# Altium PCB NanoV3.3.PcbDoc
Units mm, origin at the board's own origin, x right, y up, seen from the top; angles counter-clockwise.
Board outline 43.18 x 17.78 mm, 2 copper layers (Top, Bottom); 33 components, 43 nets, 173 pads, 43 vias.
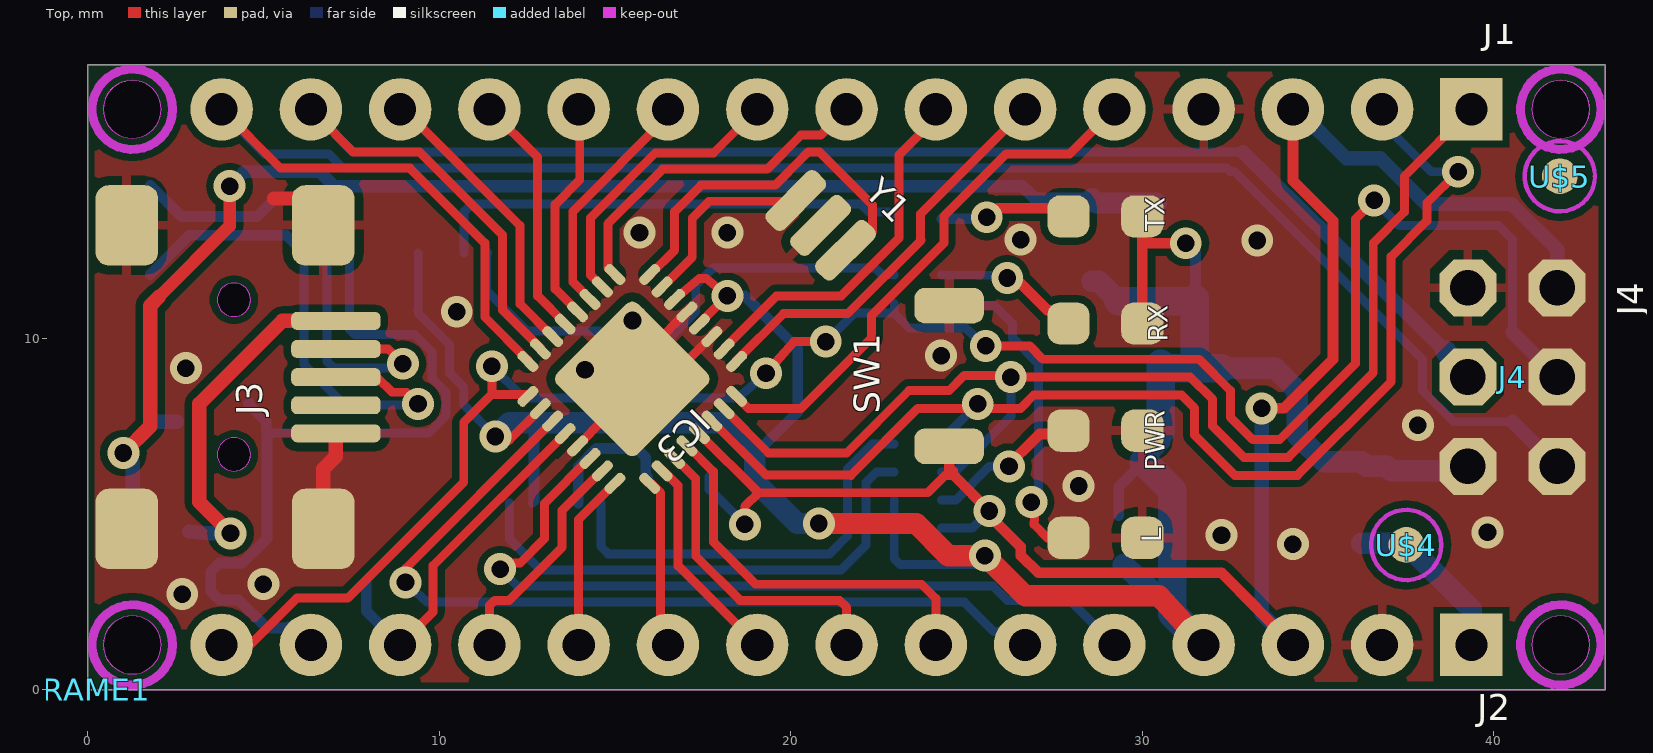
[diagram p0: Top view]
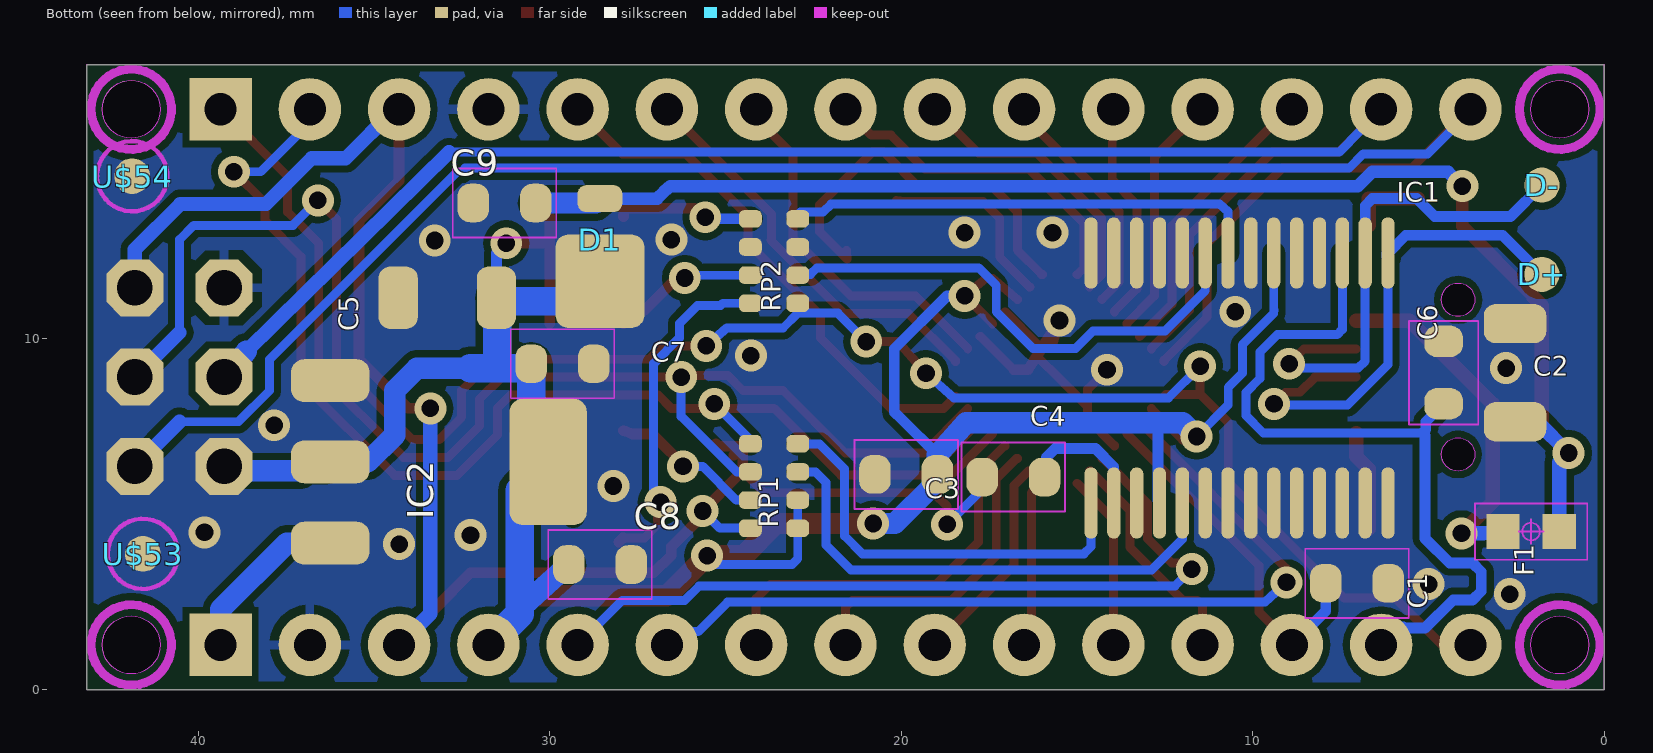
[diagram p1: Bottom view, seen from below]

## Layer stack, top to bottom
Top Solder: solder mask 0.0102, Solder Resist, Dk 3.5
Top: signal copper 0.035
Dielectric 1: dielectric 0.32, FR-4, Dk 4.8
Bottom: signal copper 0.035
Bottom Solder: solder mask 0.0102, Solder Resist, Dk 3.5

## Board outline
43.18,17.78 0,17.78 0,0 43.18,0
cut-out: 41.91,0.445 ccw(c41.91,1.27) 42.735,1.27 ccw(c41.91,1.27) 41.91,2.095 ccw(c41.91,1.27) 41.084,1.27 ccw(c41.91,1.27)
cut-out: 41.91,15.684 ccw(c41.91,16.51) 42.735,16.51 ccw(c41.91,16.51) 41.91,17.335 ccw(c41.91,16.51) 41.084,16.51 ccw(c41.91,16.51)
cut-out: 1.27,15.684 ccw(c1.27,16.51) 2.095,16.51 ccw(c1.27,16.51) 1.27,17.335 ccw(c1.27,16.51) 0.445,16.51 ccw(c1.27,16.51)
cut-out: 1.27,0.445 ccw(c1.27,1.27) 2.095,1.27 ccw(c1.27,1.27) 1.27,2.095 ccw(c1.27,1.27) 0.445,1.27 ccw(c1.27,1.27)
cut-out: 4.161,10.615 ccw(c4.161,11.09) 4.636,11.09 ccw(c4.161,11.09) 4.161,11.565 ccw(c4.161,11.09) 3.686,11.09 ccw(c4.161,11.09)
cut-out: 4.161,6.215 ccw(c4.161,6.69) 4.636,6.69 ccw(c4.161,6.69) 4.161,7.165 ccw(c4.161,6.69) 3.686,6.69 ccw(c4.161,6.69)

## Design rules (kind name [scope] priority, off if disabled: settings)
BoardOutlineClearance mdCopperDimension [All] p1: gap=0.254 ignorepadtopadclearanceinfootprint=FALSE except(0: Arc-SplitContinuation Track-SplitContinuation SMDPad-SplitContinuation THPad-SplitContinuation Via-SplitContinuation Fill-SplitContinuation Poly-SplitContinuation Region-SplitContinuation Text-SplitContinuation; 0.203: Poly-OutlineEdge Poly-CavityEdge Poly-CutoutEdge Poly-SplitBarrior)
Clearance Clearance_for_PolygonClass_Isolate_8 [InPolygonClass('Isolate_8') vs IsArc Or IsTrack Or IsPad Or IsVia Or IsFill Or IsRegion Or IsText] p1: gap=0.203 ignorepadtopadclearanceinfootprint=FALSE
Clearance "Clearance (Same Net)" [All] p2: gap=0.203 ignorepadtopadclearanceinfootprint=FALSE
Clearance [All] p3: gap=0.203 ignorepadtopadclearanceinfootprint=FALSE
HoleSize [All] p1: absolutevalues=TRUE maxlimit=2540 minlimit=0.406 maxpercent=80.000 minpercent=20.000
HoleToHoleClearance mdDrill [All] p1: gap=0.203 allowstackedmicrovias=TRUE
MinimumSolderMaskSliver [All] p1 off: minsoldermaskwidth=0.254
PasteMaskExpansion Expansion_SMDPaste_OFF [InPadClass('SMDPaste_OFF')] p1: expansion=0
PasteMaskExpansion mlMinCreamFrame [All] p2: expansion=-0.076
PolygonConnect PolygonConnect_For_PolygonThermal_ON_Width100000_Gap100000 [InPolygonClass('PolygonThermal_ON_Width100000_Gap100000') vs Not IsVia] p1: connectstyle=Relief reliefconductorwidth=0.254 reliefentries=4 polygonreliefangle="90 Angle" airgapwidth=0.254
PolygonConnect ThermalVias [IsVia] p2: connectstyle=Direct reliefconductorwidth=0.254 reliefentries=4 polygonreliefangle="90 Angle" airgapwidth=0.254
PolygonConnect [All] p3: connectstyle=Relief reliefconductorwidth=0.254 reliefentries=4 polygonreliefangle="90 Angle" airgapwidth=0.254
RoutingVias [All] p1: holewidth=0.406 width=0.813 viastyle="Through Hole" minholewidth=0.406 minwidth=0.813 maxholewidth=2.54 maxwidth=2.54
SolderMaskExpansion Expansion_SMDSolder_OFF [InPadClass('SMDSolder_OFF')] p1: expansion=0 istentingtop=FALSE
SolderMaskExpansion mlMinStopFrame [All] p2: expansion=0 istentingtop=FALSE
Width [All] p1: maxlimit=0.254 minlimit=0.254 preferedwidth=0.254
26 further rules are at their usual default settings.

## Classes and differential pairs
polygon class PolygonThermal_ON_Width100000_Gap100000: Polygon_1_Net_COM Polygon_2_Net_COM
polygon class Isolate_8: Polygon_1_Net_COM Polygon_2_Net_COM
pad class SMDSolder_OFF: IC3-33
pad class SMDPaste_OFF: D+-X D--X IC3-33 U$4-P$1 U$5-P$1 U$53-P$1 U$54-P$1

## Components (designator, comment, footprint, x,y, rotation, side; value= is the part's Value field where it differs from the comment)
C1 "100nF" C0603-ROUND 7.035,3.023 r180 bottom
C2 "4,7uF_16V" TAN-A 2.54,7.62 r90 bottom
C3 "1uF" C0603-ROUND 19.863,6.121 r0 bottom
C4 "100nF" C0603-ROUND 16.815,6.045 r180 bottom
C5 "4,7uF_16V" TAN-A 31.521,11.151 r0 bottom
C6 "100nF" C0603-ROUND 4.572,9.017 r270 bottom
C7 "1uF" C0603-ROUND 29.642,9.271 r180 bottom
C8 "1uF" C0603-ROUND 28.575,3.556 r180 bottom
C9 "100nF" C0603-ROUND 31.293,13.843 r0 bottom
D1 "SS1P3L" DO220AAL 28.575,12.319 r90 bottom
D+ "" TP-1.00MM 1.778,11.811 r0 top
D- "" TP-1.00MM 1.778,14.351 r0 top
F1 "MFFSMF050" 0603-1608X90N 2.083,4.496 r0 bottom
FRAME1 "" FRAME 0,0 r0 top
IC1 "FT232RL" SSOP28 14.605,5.309 r180 bottom
IC2 "LM1117IMPX-5.0" LINEAR_SOT223 33.147,6.477 r270 bottom
IC3 "328P-MUR" VQFN32 15.494,8.839 r225 top
J1 "XXXX_STRIPNANO" HEAD15-NOSS 39.37,16.51 r180 top
J2 "XXXX_STRIPNANO" HEAD15-NOSS 39.37,1.27 r180 top
J3 "" USB-MINI-B_2 7.061,7.29 r90 top
J4 "" 2X03 40.538,8.89 r90 top
L "Yellow" CHIPLED_0805 28.956,4.318 r270 top
PWR "Green" CHIPLED_0805 28.956,7.366 r270 top
RP1 "1K" CAY16 23.622,5.791 r270 bottom
RP2 "1K" CAY16 23.622,12.192 r90 bottom
RX "Red" CHIPLED_0805 28.956,10.414 r90 top
SW1 "RESET" SMD_157SW 24.511,10.922 r270 top
TX "Green" CHIPLED_0805 28.956,13.462 r90 top
U$4 "" FD-1-1.5 37.516,4.115 r270 top
U$5 "" FD-1-1.5 41.885,14.605 r0 top
U$53 "" FD-1-1.5 41.58,3.861 r90 bottom
U$54 "" FD-1-1.5 41.885,14.605 r90 bottom
Y1 "16MHz" RESONATOR 20.853,13.206 r315 top

## Footprints (in the part's own frame and the unit in brackets; to place one, negate y for a bottom-side part, rotate by r counter-clockwise, add the part's x,y. Pads: shape width x height; smd on the part's side, far side on the other; paste and mask are expansions set on the pad)
2X03 [mil] "2X03"
  oct 64x64 / inner round 56.38 / far side oct 64x64 hole 40: 1(-100,-50) 2(-100,50) 3(0,-50) 4(0,50) 5(100,-50) 6(100,50)
0603-1608X90N [mm] "0603-1608X90N"
  rrect3% 0.95x1 smd: 1(-0.8,0) 2(0.8,0)
  Top keep-out circle w0.05: c0,0 r0.25
  Top keep-out lines w0.05: -0.35,0 0.35,0 ; 0,0.35 0,-0.35 ; -1.6,0.8 1.6,0.8 1.6,-0.8 -1.6,-0.8 -1.6,0.8
C0603-ROUND [mil] "C0603-ROUND"
  rrect80% 35.37x43.31 smd: 1(-35,0) 2(35,0)
  Top keep-out lines w2: 57.99,-38.7 -57.99,-38.7 -57.99,38.7 57.99,38.7 57.99,-38.7
CAY16 [mm] "CAY16"
  rrect60% 0.5x0.65 smd: 1(-1.2,-0.675) 2(-0.4,-0.675) 3(0.4,-0.675) 4(1.2,-0.675) 5(1.2,0.675) 6(0.4,0.675) 7(-0.4,0.675) 8(-1.2,0.675)
CHIPLED_0805 [mm] "CHIPLED_0805"
  rrect60% 1.2x1.2 smd: A(0,-1.05) C(0,1.05)
DO220AAL [mil] "DO220AAL"
  rrect30% 105x100 smd: P$1(-27.56,0)
  rrect60% 30x50 smd: P$2(64.96,0)
FD-1-1.5 [mil] "FD-1-1.5"
  rrect100% 40x40 smd paste-20: P$1(0,0)
  Top keep-out circle w5: c0,0 r39.37
FRAME [mm] "FRAME"
HEAD15-NOSS [mil] "HEAD15-NOSS"
  rect 70x70 / inner round 64.67 / far side rect 70x70 hole 36: 1(0,0)
  round 70 hole 36: 2(100,0) 3(200,0) 4(300,0) 5(400,0) 6(500,0) 7(600,0) 8(700,0) 9(800,0) 10(900,0) 11(1000,0) 12(1100,0) 13(1200,0) 14(1300,0) 15(1400,0)
LINEAR_SOT223 [mil] "LINEAR_SOT223"
  rrect60% 48x88 smd: 1(-91,-122) 2(0,-122) 3(91,-122)
  rrect34% 141.73x86.61 smd: 4(0,122.01)
RESONATOR [mm] "RESONATOR"
  rrect60% 0.7x2 smd: 1(-1,0) 2(0,0) 3(1,0)
SMD_157SW [mil] "SMD_157SW"
  rrect60% 40x78 smd: 1(0,0) 2(157.5,0)
SSOP28 [mil] "SSOP28"
  rrect100% 15x80 smd: 1(0,0) 2(25.6,0) 3(51.18,0) 4(76.77,0) 5(102.37,0) 6(127.95,0) 7(153.53,0) 8(179.13,0) 9(204.72,0) 10(230.32,0) 11(255.92,0) 12(281.5,0) 13(307.08,0) 14(332.68,0) 15(332.68,280) 16(307.08,280) 17(281.5,280) 18(255.92,280) 19(230.32,280) 20(204.72,280) 21(179.13,280) 22(153.53,280) 23(127.95,280) 24(102.37,280) 25(76.77,280) 26(51.18,280) 27(25.58,280) 28(0,280)
TAN-A [mil] "TAN-A"
  rrect60% 44x70 smd: 1(0,0) 2(110,0)
TP-1.00MM [mm] "TP-1.00MM"
  rrect100% 1x1 smd far side paste-0.5: X(0,0)
USB-MINI-B_2 [mil] "USB-MINI-B_2"
  rrect60% 20x100 smd: 1(0,0) 2(31.5,0) 3(62.99,0) 4(94.49,0) 5(125.98,0)
  rrect42% 90x70 smd: 6(-106.99,234.17) 7(-106.99,14.17) 8(233.01,14.17) 9(233.01,234.17)
VQFN32 [mm] "VQFN32"
  rrect80% 0.7x0.28 smd: 1(-2.45,1.75) 2(-2.45,1.25) 3(-2.45,0.75) 4(-2.45,0.25) 5(-2.45,-0.25) 6(-2.45,-0.75) 7(-2.45,-1.25) 8(-2.45,-1.75) 17(2.45,-1.75) 18(2.45,-1.25) 19(2.45,-0.75) 20(2.45,-0.25) 21(2.45,0.25) 22(2.45,0.75) 23(2.45,1.25) 24(2.45,1.75)
  rrect80% 0.28x0.7 smd: 9(-1.75,-2.45) 10(-1.25,-2.45) 11(-0.75,-2.45) 12(-0.25,-2.45) 13(0.25,-2.45) 14(0.75,-2.45) 15(1.25,-2.45) 16(1.75,-2.45) 25(1.75,2.45) 26(1.25,2.45) 27(0.75,2.45) 28(0.25,2.45) 29(-0.25,2.45) 30(-0.75,2.45) 31(-1.25,2.45) 32(-1.75,2.45)
  rrect15% 3.254x3.254 smd paste-1.627 mask-1.627: 33(0,0)

## Part data
C1 C3 C4 C6 C7 C8 C9: library part C0603-ROUND, PackageName=C0603-ROUND, OriginalSource=Eagle
C2 C5: library part TAN-A, PackageName=TAN-A, OriginalSource=Eagle
D1: library part DO220AAL, PackageName=DO220AAL, OriginalSource=Eagle
D+ D-: library part TP-1.00MM, PackageName=TP-1.00MM, OriginalSource=Eagle
F1: library part 0603-1608X90N, PackageName=0603-1608X90N, OriginalSource=Eagle
FRAME1: library part FRAME, PackageName=FRAME, OriginalSource=Eagle
IC1: library part SSOP28, PackageName=SSOP28, OriginalSource=Eagle
IC2: library part LINEAR_SOT223, PackageName=LINEAR_SOT223, OriginalSource=Eagle
IC3: library part VQFN32, PackageName=VQFN32, OriginalSource=Eagle
J1 J2: library part HEAD15-NOSS, PackageName=HEAD15-NOSS, OriginalSource=Eagle
J3: library part USB-MINI-B_2, PackageName=USB-MINI-B_2, OriginalSource=Eagle
J4: library part 2X03, PackageName=2X03, OriginalSource=Eagle
L PWR RX TX: library part CHIPLED_0805, PackageName=CHIPLED_0805, OriginalSource=Eagle
RP1 RP2: library part CAY16, PackageName=CAY16, OriginalSource=Eagle
SW1: library part SMD_157SW, PackageName=SMD_157SW, OriginalSource=Eagle
U$4 U$5 U$53 U$54: library part FD-1-1.5, PackageName=FD-1-1.5, OriginalSource=Eagle
Y1: library part RESONATOR, PackageName=RESONATOR, OriginalSource=Eagle

## Free pads (board coordinates)
  round 1.651 hole 1.651 unplated: MH1(1.27,16.51) MH2(1.27,1.27) MH3(41.91,1.27) MH4(41.91,16.51)
  round 0.95 hole 0.95 unplated: MH1(4.161,6.69) MH2(4.161,11.09)

## Via types
v1: diameter 0.907/0.907 (per signal layer), hole 0.5, Top to Bottom, 43 vias

## Nets (pads, with @x,y where several pads share a name; then routed paths per layer and width w, separated by ;. In a path a pad name is that pad's centre, name@x,y a point inside that pad or via, vN(x,y) a via of type N, cw(c..) or ccw(c..) an arc to the next point about the centre after c; other vN are vias at no path point)
3V3: C6.2 IC1.17 J2.14 | length 22.3
  Bottom w0.254: 5.08,7.4 5.18,7.3 9.7,7.3 10.2,7.8 10.2,8.45 9.8,8.85 9.8,9.6 9.306,10.094 9.306,10.1 7.6,10.1 7.455,10.245 IC1.17
  Bottom w0.305: C6.2@4.597,8.153 C6.2 5.08,7.62 5.08,7.4 ; 5.18,7.3 5.1,7.22 5.1,4.3 4.4,3.6 3.75,3.6 3.5,3.35 3.5,2.8 3.75,2.55 4.3,2.55 5.1,1.75 J2.14@5.87,1.75 ; J2.14@5.715,1.778 5.842,1.778 J2.14@5.87,1.75 ; J2.14 J2.14@5.87,1.75
+5V: C3.1 C5.1 C7.1 C8.1 D1.P$1 IC1.4 IC1.20 IC2.2 IC2.4 IC3.4 IC3.6 IC3.18 J2.4 J4.2 RP1.5 RP1.6 RX.A TX.A | length 82.8
  Top w0.254: v1(11.6,7.2) 11.7,7.1 12,7.1 12.878,7.978 IC3.18 ; IC3.6 16.702,11.102 17.4,11.7 17.6,11.7 v1(18.2,11.2) 17.403,10.403 IC3.4
  Top w0.305: RX.A 30.006,12.7 ; TX.A 30.006,12.7 ; v1(31.242,12.7) 30.006,12.7
  Top w0.61: v1(20.803,4.724) 23.571,4.724 24.486,3.81 v1(25.527,3.81) 26.67,2.667 30.48,2.667 J2.4
  Bottom w0.254: 9.4,10.8 9.405,10.705 ; IC1.20 9.405,10.705 ; v1(11.6,7.2) 10.7,8.1 10.7,8.6 10.3,9 10.3,9.81 9.405,10.705 ; IC1.4 IC1.4@12.7,5.379 ; 18.1,7.554 18.161,7.593 ; RP1.6 22.947,3.723 23.114,3.556 25.273,3.556 v1(25.527,3.81)
  Bottom w0.305: 12.6,7.593 12.7,7.393 IC1.4@12.7,5.379 ; v1(18.2,11.2) 18.7,11.2 20.2,9.7 20.2,7.9 20.006,7.706 20,7.706 18.974,6.68 ; IC2.4@29.337,4.953 29.337,5.766 IC2.4 ; v1(31.242,12.7) 31.521,12.421 C5.1
  Bottom w0.406: IC2.4 IC2.4@30.455,6.883 ; IC2.4@30.124,7.214 IC2.4@30.455,6.883 ; IC2.4@30.607,7.366 30.607,7.036 IC2.4@30.455,6.883 ; C5.1@31.42,11.049 31.496,11.125 C5.1 ; IC2.2 IC2.2@36.373,6.35
  Bottom w0.61: v1(11.6,7.2) 11.993,7.593 12.6,7.593 18.161,7.593 18.974,6.68 C3.1 19.074,5.837 20.187,4.724 v1(20.803,4.724) v1@20.803,4.75 ; D1.P$1 28.767,11.619 D1.P$1@29.337,11.049 ; C8.1 30.734,2.413 30.861,2.413 ; 32.258,9.144 33.782,9.144 34.417,8.509 34.417,7.239 35.179,6.477 IC2.2 ; IC2.2@36.373,6.35 36.957,6.35 37.084,6.223 38.735,6.223 38.862,6.35 J4.2
  Bottom w0.813: D1.P$1@29.337,11.049 C5.1@31.42,11.049 ; IC2.4 30.861,5.664 30.861,2.413 30.861,2.159 J2.4 ; IC2.4@30.124,7.214 30.531,7.366 C7.1 30.658,9.144 31.496,9.144 ; C5.1@31.496,11.125 31.496,9.144 ; 32.258,9.144 31.496,9.144
A0: IC3.23 J2.12 | length 6.5
  Top w0.254: J2.12 11.43,2.388 11.582,2.54 11.989,2.54 13.5,4.051 13.5,5.1 14.623,6.223 IC3.23
A1: IC3.24 J2.11 | length 5
  Top w0.254: J2.11 13.97,4.84 IC3.24
A2: IC3.25 J2.10 | length 4.8
  Top w0.254: IC3.25 16.031,5.869 16.3,5.6 16.3,1.48 J2.10
A3: IC3.26 J2.9 | length 6.1
  Top w0.254: IC3.26 16.377,6.223 16.8,5.8 16.8,3.52 J2.9
A4: IC3.27 J2.8 | length 9
  Top w0.254: IC3.27 16.724,6.577 17.3,6 17.3,3.8 18.56,2.54 21.387,2.54 21.59,2.337 J2.8
A5: IC3.28 J2.7 | length 11.4
  Top w0.254: IC3.28 17.07,6.93 17.8,6.2 17.8,4.2 19.003,2.997 23.724,2.997 24.13,2.591 J2.7
A6: IC3.19 J2.6 | length 24.7
  Top w0.254: v1(9.042,3.048) 9.042,3.442 13.231,7.631 IC3.19
  Bottom w0.254: v1(9.042,3.048) 9.652,2.489 24.943,2.489 25.781,1.651 26.289,1.651 J2.6
A7: IC3.22 J2.5 | length 22.8
  Top w0.254: v1@11.735,3.404 v1(11.735,3.429) 11.906,3.6 12.3,3.6 13,4.3 13,5.3 14.277,6.577 IC3.22
  Bottom w0.254: v1(11.735,3.429) 12.217,2.946 25.756,2.946 26.162,2.54 27.94,2.54 J2.5
AREF: C1.1 IC3.20 J2.13 | length 10.1
  Top w0.254: J2.13 9.83,2.21 9.83,3.53 IC3.20 IC3.20
  Bottom w0.305: C1.1 7.924,2.236 J2.13
COM: C1.2 C2.2 C3.2 C5.2 C6.1 C7.2 C8.2 C9.2 IC1.7 IC1.18 IC1.21 IC1.25 IC1.26 IC2.1 IC3.3 IC3.5 IC3.21 IC3.33 J1.4 J2.2 J3.1 J3.6 J3.7 J3.8 J3.9 J4.6 L.C PWR.C RP2.3 RP2.6 SW1.1 Y1.2 | length 16
  Top w0.254: IC3.21 13.938,6.938 14.7,7.7 IC3.33@14.7,8.045 ; v1(14.15,9.1) 14.7,8.55 IC3.33@14.7,8.045 ; v1(15.5,10.5) 15.7,9.8 15.95,9.8 IC3.33@16.1,9.8 ; IC3.33@16.8,9.1 17.741,10.041 IC3.3 ; IC3.5 IC3.33@16.1,9.8 ; IC3.33@14.7,8.045 IC3.33 16.1,9.445 16.1,9.567 IC3.33@16.1,9.8
  Top w0.305: v1(15.5,10.5) 15.95,9.8 16.1,9.567 16.4,9.1 IC3.33@16.8,9.1
  Top w0.406: 5.309,13.97 6.701,13.97 J3.8 ; J3.7 6.705,4.572 6.706,6.274 7.061,6.629 J3.1
  other v1: 2.692,2.718 5,3 34.29,4.14 32.258,4.394 39.827,4.47 28.194,5.791 37.846,7.518 2.794,9.144 24.282,9.5 10.5,10.75 33.274,12.776 26.543,12.802 15.7,13 18.2,13
D0/RX: IC3.30 J1.2 RP1.1 | length 35
  Top w0.254: IC3.30 17.763,7.637 19.3,6.1 21.713,6.1 21.717,6.096 23.622,8.001 25.07,8.001 v1(25.324,8.128) ; v1@25.4,8.128 v1(25.324,8.128) ; v1(38.989,14.732) 38.1,13.843 38.1,13.335 37.084,12.319 37.084,8.763 34.417,6.096 32.639,6.096 31.496,7.239 31.496,8.001 31.115,8.382 26.924,8.382 26.543,8.001 25.451,8.001 v1(25.324,8.128)
  Bottom w0.254: RP1.1 24.297,7.101 v1(25.324,8.128) ; J1.2 36.83,16.129 38.227,14.732 v1(38.989,14.732)
D1/TX: IC3.31 J1.1 RP1.2 | length 34.7
  Top w0.254: IC3.31 19.37,6.731 21.59,6.731 23.368,8.509 24.511,8.509 24.943,8.941 26.213,8.941 v1(26.264,8.89) 31.369,8.89 32.004,8.255 32.004,7.493 32.893,6.604 34.163,6.604 36.576,9.017 36.576,12.7 37.465,13.589 37.465,14.605 J1.1
  Bottom w0.254: RP1.2 24.682,6.191 26.264,7.772 v1(26.264,8.89)
D2: IC3.32 J1.5 | length 15.2
  Top w0.254: IC3.32 18.464,8.336 18.8,8 20.3,8 22.3,10 22.3,10.641 24.359,12.7 24.359,13.462 26.137,15.24 27.94,15.24 J1.5
D3: IC3.1 J1.6 | length 11.7
  Top w0.254: IC3.1 18.464,9.364 19.8,10.7 21.622,10.7 23.711,12.789 23.698,12.802 23.698,13.538 J1.6
D4: IC3.2 J1.7 | length 10.4
  Top w0.254: IC3.2 18.11,9.71 19.6,11.2 21.436,11.2 23.089,12.852 23.089,15.215 24.13,16.256 J1.7
D5: IC3.9 J1.8 | length 9.7
  Top w0.254: IC3.9 14.991,11.809 14.8,12 14.8,13.251 16.358,14.808 19.329,14.808 20.295,15.773 20.853,15.773 J1.8
D6: IC3.10 J1.9 | length 8.1
  Top w0.254: IC3.10 14.3,11.8 14.3,13.411 16.154,15.265 17.805,15.265 J1.9
D7: IC3.11 J1.10 | length 6.7
  Top w0.254: IC3.11 14.292,11.108 13.8,11.6 13.8,13.6 16.51,16.31 J1.10
D8: IC3.12 J1.11 | length 6.3
  Top w0.254: IC3.12 13.938,10.762 13.3,11.4 13.3,13.8 14,14.5 14,16.48 J1.11
D9: IC3.13 J1.12 | length 7
  Top w0.254: J1.12 12.8,15.14 12.8,11.2 13.585,10.415 IC3.13
D10: IC3.14 J1.13 | length 8.4
  Top w0.254: J1.13 8.99,16.51 12.3,13.2 12.3,10.973 IC3.14 IC3.14@13.231,10.069
D11/MOSI: IC3.15 J1.14 J4.4 | length 46.7
  Top w0.254: J1.14 7.067,15.793 7.067,15.777 7.554,15.291 9.449,15.291 11.8,12.94 11.8,10.8 12.878,9.722 IC3.15
  Bottom w0.254: J1.14 7.544,15.291 32.868,15.291
  Bottom w0.406: 32.868,15.291 38.633,9.627
  Bottom w0.61: 38.633,9.627 J4.4
D12/MISO: IC3.16 J1.15 J4.1 | length 55.7
  Top w0.254: J1.15 5.486,14.834 9.169,14.834 11.3,12.703 11.3,10.6 12.524,9.376 IC3.16
  Bottom w0.254: J1.15 3.81,16.46 5.03,15.24 6.858,15.24 7.264,14.834 32.41,14.834 32.512,14.732 32.639,14.732 37.973,9.398 37.973,8.509 38.862,7.62 40.538,7.62
  Bottom w0.406: 40.538,7.62 J4.1
D13/SCK: IC3.17 J2.15 J4.3 RP2.1 | length 56.2
  Top w0.254: J2.15 3.84,1.3 4.65,1.3 5.95,2.6 7.4,2.6 10.7,5.9 10.7,7.6 11.5,8.4 ; v1(11.5,9.2) 11.5,8.4 ; IC3.17 12.468,8.4 11.5,8.4 ; v1(19.3,9) 20.1,9.9 v1(21,9.9) ; v1(25.552,9.779) 26.797,9.779 27.178,9.398 31.623,9.398 32.512,8.509 32.512,7.747 33.147,7.112 33.909,7.112 36.068,9.271 36.068,13.386 v1(36.601,13.919)
  Bottom w0.254: v1(11.5,9.2) 12.4,8.3 18.5,8.3 v1(19.3,9) ; v1(21,9.9) 21.808,10.708 22.947,10.708 ; RP2.1 22.947,10.708 ; v1(25.552,9.779) 24.968,10.287 23.368,10.287 22.947,10.708 ; v1(36.601,13.919) 37.313,13.208 40.132,13.208 40.538,12.802 40.538,10.16
  Bottom w0.406: 40.538,10.16 J4.3
N$1: IC3.8 Y1.3 | length 11.2
  Top w0.254: IC3.8 16.009,11.809 16.7,12.5 16.7,13.6 17.451,14.351 19.558,14.351 20.345,15.138 20.345,15.146 20.5,15.3 20.819,15.3 22.327,13.792 22.327,13.03 21.539,12.243 Y1.3
N$2: IC3.7 Y1.1 | length 5.5
  Top w0.254: IC3.7 16.356,11.455 17.2,12.3 17.2,13.416 17.678,13.894 19.888,13.894 Y1.1
N$3: PWR.A RP1.3 | length 4.9
  Top w0.305: v1(26.213,6.35) 26.162,6.299 26.035,6.223 27.085,7.273 27.652,7.273 PWR.A
  Bottom w0.254: RP1.3 24.695,5.391 25.654,6.35 v1(26.213,6.35)
N$4: C4.2 IC1.2 | length 3.8
  Bottom w0.305: IC1.2 13.955,6.335 14.478,6.858 15.621,6.858 15.875,6.604 15.875,6.096 C4.2
N$5: D+.X IC1.15 J3.3 | length 14.7
  Top w0.254: J3.3 8.23,8.89 8.661,8.458 9.068,8.458 v1(9.398,8.128)
  Bottom w0.254: IC1.15@6.147,12.446 6.159,12.433 6.159,12.319 6.159,9.241 7.3,8.1 9.37,8.1 v1(9.398,8.128)
  Bottom w0.305: D+.X 2.896,12.929 5.647,12.929 IC1.15
  Bottom w0.356: IC1.15 6.155,12.324 IC1.15@6.159,12.319
N$6: D-.X IC1.16 J3.4 | length 14.5
  Top w0.254: J3.4 8.547,9.69 v1(8.966,9.271)
  Bottom w0.254: IC1.16@6.794,12.446 6.805,12.435 6.807,12.433 6.807,9.347 7.01,9.144 8.839,9.144 v1(8.966,9.271)
  Bottom w0.305: D-.X 2.667,13.462 4.826,13.462 5.334,13.97 6.604,13.97 6.805,13.769 6.805,12.435 6.805,12.431 IC1.16
  Bottom w0.356: IC1.16@6.805,12.431 IC1.16@6.807,12.433
N$7: L.A RP2.8 | length 9.9
  Top w0.254: v1(26.848,5.334) 26.949,5.08 26.924,4.699 27.305,4.318 L.A L.A@27.923,4.318
  Top w0.305: L.A 28.042,4.2 L.A@27.923,4.318
  Bottom w0.254: RP2.8 25.076,10.992 25.146,10.922 25.806,10.922 26.314,10.414 26.314,10.008 27.051,9.271 27.051,5.613 v1(26.848,5.334)
N$8: IC1.23 RP2.2 | length 14.8
  Bottom w0.254: IC1.23 11.354,11.346 12.5,10.2 14.55,10.2 15.05,9.7 16.25,9.7 17.3,10.75 17.3,11.5 17.8,12 22.4,12 22.589,11.811 22.928,11.811 RP2.2
  Bottom w0.305: IC1.23 IC1.23
N$9: IC1.22 RP2.4 | length 13.7
  Bottom w0.254: IC1.22 10.705,13.601 10.947,13.818 22.001,13.818 22.001,13.813 22.225,13.589 22.877,13.589 RP2.4
N$11: RP2.5 TX.C | length 3.9
  Top w0.305: v1(25.578,13.437) 25.781,13.589 25.883,13.691 27.881,13.691 TX.C
  Bottom w0.305: RP2.5 25.533,13.392 v1(25.578,13.437)
N$26: F1.2 J3.5 | length 10.1
  Top w0.406: v1(4.064,4.445) 3.175,5.334 3.175,8.128 5.537,10.49 J3.5
  Bottom w0.406: F1.2 3.442,4.445 v1(4.064,4.445)
N$29: RP2.7 RX.C | length 4.2
  Top w0.305: v1(26.162,11.709) 26.416,11.684 27.305,10.795 27.691,10.795 RX.C
  Bottom w0.254: RP2.7 26.041,11.779 v1(26.162,11.709)
RESET: C4.1 IC3.29 J1.3 J2.3 J4.5 RP1.4 SW1.2 | length 54.3
  Top w0.254: IC3.29@17.417,7.283 IC3.29 19.087,5.6 ; v1(18.7,4.7) 18.7,5.213 19.087,5.6 ; 24.511,6.223 24.638,6.223 24.638,6.096 24.396,6.096 23.9,5.6 19.087,5.6
  Top w0.305: 24.511,6.223 SW1.2 ; 24.638,6.096 v1(25.654,5.08) 25.654,4.953 26.543,4.064 26.543,3.81 27.051,3.327 32.258,3.327 J2.3 ; SW1.2@24.765,6.667 SW1.2 ; SW1.2@25.273,6.985 25.209,6.921 SW1.2 ; v1(33.401,8.001) 34.036,8.001 35.433,9.398 35.433,13.335 34.29,14.478 J1.3
  Bottom w0.254: C4.1@17.7,5.7 v1(18.7,4.7) ; C4.1@17.7,6.041 C4.1 ; RP1.4 25.165,4.591 v1(25.654,5.08) ; J1.3 J1.3@34.417,16.51
  Bottom w0.305: C4.1@17.7,5.7 C4.1@17.7,6.041 ; C4.1@17.704,5.766 C4.1
  Bottom w0.406: v1(33.401,8.001) 33.401,2.159 J2.3 ; J1.3@34.417,16.51 35.814,15.113 36.779,15.113 38.075,13.818 40.513,13.818 41.808,12.522 J4.5
RX: IC1.1 RP1.8 | length 12.1
  Bottom w0.254: IC1.1 14.605,4.064 14.808,3.861 21.107,3.861 21.615,4.369 21.615,6.274 22.333,6.991 RP1.8
TX: IC1.5 RP1.7 | length 14.5
  Bottom w0.254: IC1.5 12.005,4.277 12.878,3.404 21.438,3.404 22.149,4.115 22.149,5.893 22.447,6.191 RP1.7
VIN: IC2.3 J2.1 | length 4.9
  Bottom w0.61: IC2.3 37.49,4.166 39.37,2.286 J2.1
VUSB: C2.1 C9.1 D1.P$2 F1.1 | length 40.3
  Top w0.356: 2.032,11.176 4.039,13.183 v1(4.039,14.326)
  Top w0.406: v1(1.016,6.731) 1.778,7.493 1.778,10.922 2.032,11.176
  Bottom w0.356: v1(4.039,14.326) 4.445,14.732 6.604,14.732 7.01,14.326 26.568,14.326 26.746,14.173 26.949,13.97 D1.P$2
  Bottom w0.406: F1.1 1.283,6.464 v1(1.016,6.731) 1.905,7.62 C2.1 ; D1.P$2 D1.P$2@28.828,13.843
  Bottom w0.61: D1.P$2 D1.P$2 28.701,13.843 28.828,13.843 C9.1
pads on no net: IC1.3 IC1.6 IC1.8 IC1.9 IC1.10 IC1.11 IC1.12 IC1.13 IC1.14 IC1.19 IC1.24 IC1.27 IC1.28 J3.2 U$4.P$1 U$5.P$1 U$53.P$1 U$54.P$1

## Polygon pours and split planes (outlines as drawn)
COM on Top "Polygon_1_Net_COM" (solid, remove dead copper, pour order 1): 0.127,17.653 46.355,17.78 46.355,0.254 0.127,0.127
COM on Bottom "Polygon_2_Net_COM" (solid, remove dead copper, pour order 0): 0.127,17.653 44.958,17.78 44.958,0.254 0.127,0.127

## Keep-outs
Top:
  circle w0.254: c41.91,16.51 r1.143
  circle w0.254: c1.27,1.27 r1.143
  circle w0.254: c41.91,1.27 r1.143
  circle w0.254: c1.27,16.51 r1.143
Bottom:
  circle w0.254: c41.91,1.27 r1.143
  circle w0.254: c41.91,16.51 r1.143
  circle w0.254: c1.27,16.51 r1.143
  circle w0.254: c1.27,1.27 r1.143
Keep-Out Layer:
  the board outline again, w0

## Silkscreen, mask and mechanical layers (free items; w line width, h text height)
Dimension:
  the board outline again, w0
tPlace:
  lines w0.406: 36.576,13.843 37.008,13.843 ; 39.141,13.716 39.497,13.716 ; 36.373,14.046 36.83,13.487 37.287,14.046 36.373,14.046 ; 38.887,13.487 39.802,13.487 39.345,14.046 38.887,13.487
  text "*" at 5.41,15.291 h0.79
  text "*" at 7.925,15.291 h0.79
  text "*" at 10.49,15.291 h0.79
  text "*" at 18.11,15.291 h0.79
  text "*" at 20.676,15.291 h0.79
  text "*" at 25.73,15.291 h0.79
  text "D12" at 2.769,14.529 h1.26
  text "D11" at 5.309,14.529 h1.26
  text "D10" at 7.823,14.529 h1.26
  text "D9" at 10.77,14.529 h1.26
  text "D8" at 13.335,14.529 h1.26
  text "D7" at 15.824,14.529 h1.26
  text "D6" at 18.39,14.529 h1.26
  text "D5" at 20.98,14.529 h1.26
  text "D4" at 23.47,14.529 h1.26
  text "D3" at 26.035,14.529 h1.26
  text "D2" at 28.524,14.529 h1.26
  text "GND" at 30.759,14.529 h1.26
  text "RST" at 33.299,14.529 h1.26
  text "RX0" at 35.814,14.529 h1.26
  text "TX1" at 38.354,14.529 h1.26
  text "ICSP" at 40.462,12.954 h1.26
  text "TX" at 32.05,12.64 h1.26 r90
  text "RX" at 32.177,9.782 h1.26 r90
  text "RST" at 26.817,7.281 h1.26 r90
  text "NANO" at 35.376,7.047 h1.57 r90
  text "PWR" at 32.177,6.006 h1.26 r90
  text "ARDUINO" at 37.001,5.833 h1.57 r90
  text "L" at 31.923,4.322 h1.26 r90
  text "1" at 42.619,4.264 h2.17 r90
  text "ARDUINO.CC" at 18.237,3.835 h1.26
  text "D13" at 2.769,2.438 h1.26
  text "3V3" at 5.334,2.438 h1.26
  text "REF" at 7.849,2.438 h1.26
  text "A0" at 10.744,2.438 h1.26
  text "A1" at 13.31,2.438 h1.26
  text "A2" at 15.824,2.438 h1.26
  text "A3" at 18.364,2.438 h1.26
  text "A4" at 20.879,2.438 h1.26
  text "A5" at 23.444,2.438 h1.26
  text "A6" at 25.984,2.438 h1.26
  text "A7" at 28.499,2.438 h1.26
  text "5V" at 31.039,2.438 h1.26
  text "RST" at 33.579,2.438 h1.26
  text "GND" at 36.195,2.438 h1.26
  text "VIN" at 38.71,2.438 h1.26
bPlace:
  circle w0.406: c19.304,9.169 r0.144
test-probe:
  circle w0.406: c1.778,11.811 r0.341
  circle w0.406: c1.778,14.351 r0.341
  text "NANO" at 18.431,30.93 h2.76
  text "TEST POINTS" at 13.851,28.263 h2.76
  text "10" at 9.652,18.796 h2.76 r90
  text "9" at 12.192,18.796 h2.76 r90
  text "8" at 14.732,18.796 h2.76 r90
  text "7" at 17.272,18.796 h2.76 r90
  text "6" at 19.812,18.796 h2.76 r90
  text "5" at 22.352,18.796 h2.76 r90
  text "4" at 24.892,18.796 h2.76 r90
  text "3" at 27.432,18.796 h2.76 r90
  text "2" at 29.972,18.796 h2.76 r90
  text "GND1" at 32.512,18.796 h2.76 r90
  text "RESET" at 35.052,18.796 h2.76 r90
  text "0" at 37.592,18.796 h2.76 r90
  text "1" at 40.132,18.796 h2.76 r90
  text "USB_D-" at 3.048,13.462 h2.6
  text "USB_D+" at 3.048,10.922 h2.6
  text "USB_GND" at 25.993,10.668 h2.76
  text "ISP1_5" at 43.688,10.668 h2.76
  text "ISP1_4" at 29.848,8.128 h2.76
  text "ISP1_3" at 43.688,8.128 h2.76
  text "USB_5V" at 28.344,5.588 h2.76
  text "ISP1_1" at 43.688,5.588 h2.76
  text "A1" at 14.732,-3.077 h2.76 r90
  text "A0" at 12.192,-3.41 h2.76 r90
  text "A2" at 17.272,-3.4 h2.76 r90
  text "A3" at 19.812,-3.416 h2.76 r90
  text "A4" at 22.352,-3.41 h2.76 r90
  text "A6" at 27.432,-3.416 h2.76 r90
  text "A7" at 29.972,-3.416 h2.76 r90
  text "A5" at 24.892,-3.429 h2.76 r90
  text "3V3" at 7.112,-4.68 h2.76 r90
  text "AREF" at 9.652,-6.977 h2.76 r90
  text "5V_REF" at 32.512,-9.616 h2.76 r90
  text "DC_VIN-" at 37.592,-10.105 h2.76 r90
  text "DC_VIN+" at 40.132,-10.665 h2.76 r90

## Text inside footprints (layer, text, board x,y; h text height)
FRAME1: Reference "ARDUINO and other Arduino brands and logos and Trademarks of Arduino SA. All Arduino SA Trademarks cannot be used without owner's formal permission" at -78.74,-25.4 h1.28; Reference "The product information on the Web Site or Materials is subject to change without notice. Do not finalize a design with this info" at -78.74,-20.9 h1.28; Reference "these for future definition and shall have no responsibility whatsoever for conflicts or incompatibilities arising from future changes to them." at -78.74,-18.649 h1.28; Reference "rely on the absence or characteristics of any features or instructions marked \"reserved\" or \"undefined.\" Arduino SA reserves" at -78.74,-16.399 h1.28; Reference "Arduino SA may make changes to specifications and product descriptions at any time, without notice. The Customer must not" at -78.74,-14.149 h1.28; Reference "REGARDING PRODUCTS, INCLUDING BUT NOT LIMITED TO, ANY IMPLIED WARRANTIES OF MERCHANTABILITY OR FITNESS FOR A PARTICULAR PURPOSE" at -78.74,-9.649 h1.28; Reference "Reference Designs ARE PROVIDED \"AS IS\" AND \"WITH ALL FAULTS. Arduino SA DISCLAIMS ALL OTHER WARRANTIES, EXPRESS OR IMPLIED," at -78.74,-7.399 h1.28
IC2: tPlace "2" at 37.474,7.768 h1.26 r90; tPlace "1" at 37.465,9.93 h1.26 r90; tPlace "4" at 30.607,4.572 h1.26 r90; tPlace "3" at 37.465,5.456 h1.26 r90
IC3: tPlace "1" at 19.1,9.617 h1.26 r225